# Altium PCB TimeDrive.PcbDoc (part 3 of 4)
Units mil, origin at the board's own origin, x right, y up, seen from the top; angles counter-clockwise.
Board outline 866.1 x 4330 mil, 10 copper layers (L01_SIG, L02_GND, L03_SIG, L04_GND, L05_PWR, L06_PWR, L07_GND, L08_SIG, L09_GND, L10_SIG), stack 29.74 mil thick; 308 components, 309 nets, 1055 pads, 605 vias.
Unrouted connection lines stored in the file: 13.
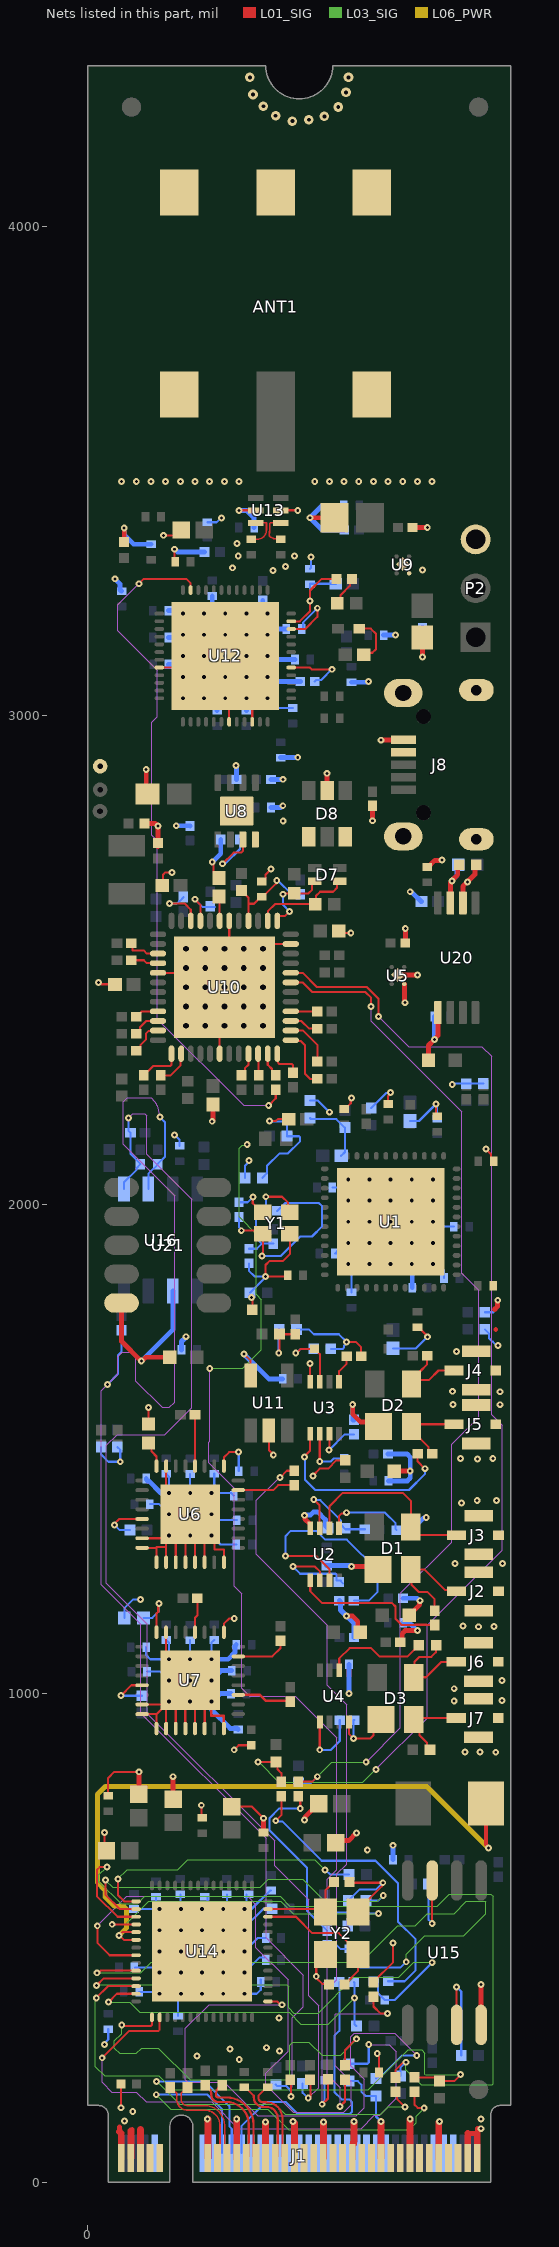
[diagram p11: the nets of this part, all layers, seen from the top]

## Via types
v1: diameter 14, hole 6, L01_SIG to L10_SIG, 458 vias
v2: diameter 19.68, hole 7.87, L01_SIG to L10_SIG, 103 vias
v3: diameter 23.62, hole 11.81, L01_SIG to L10_SIG, 25 vias
v4: diameter 14, hole 5.9, L01_SIG to L10_SIG, 19 vias

## Nets (pads, with @x,y where several pads share a name; then routed paths per layer and width w, separated by ;. In a path a pad name is that pad's centre, name@x,y a point inside that pad or via, vN(x,y) a via of type N, cw(c..) or ccw(c..) an arc to the next point about the centre after c; other vN are vias at no path point) (continued)
DW1000_VDDSYN: C61.2 U12.10 | length 137.1
  L01_SIG w4.25: U12.10@416.58,3177.47 445.18,3177.47 470,3202.28 v1(470,3220)
  L10_SIG w4.25: C61.2@438.23,3177.47 441.19,3180.42 441.19,3191.19 v1(470,3220)
DW1000_VDDVCO: C73.2 C74.1 C75.2 U12.11 | length 241.1
  L01_SIG w4.25: U12.11@416.58,3193.21 434.36,3193.21 455,3213.86 v1(455,3235) 455,3256.18 478.82,3280 C74.1@509.25,3280
  L10_SIG w4.25: v1(455,3235) C73.2@455,3269.25 455,3270 C75.2@507.68,3270
DW1000_VREF: R90.1 U12.5 | length 130.3
  L01_SIG w4: U12.5@416.58,3098.73 454.42,3098.73 458.15,3095 v1(500,3095)
  L10_SIG w4.25: R90.1@464.76,3070 468.26,3073.49 478.49,3073.49 v1@499.79,3094.79
DW1000_WAKEUP: R73.1 U12.23 | length 1418.1
  L01_SIG w4.25: v1(105,3270) 115,3280 202.28,3280 210.87,3271.41 U12.23@210.87,3257.19 ; v1(370.54,2202.88) 385,2217.34 R73.1@385,2234.92
  L08_SIG w2.2: v1(105,3270) 62.07,3227.07 62.07,3173.63 143,3092.71 143,2998.25 131.58,2986.83 131.58,2755.83 143,2744.4 143,2379 319.12,2202.88 v1(370.54,2202.88)
GND: C1.1 C2.1 C3.1 C4.2 C5.1 C6.1 C7.2 C8.1 C9.2 C10.2 C11.2 C12.1 C13.1 C14.1 C17.2 C18.2 C19.2 C20.2 C21.2 C22.2 C23.2 C24.2 C27.1 C28.1 C29.1 C30.1 C31.1 C32.1 C33.1 C34.1 C35.1 C36.2 C37.2 C38.1 C39.1 C40.1 C41.1 C42.1 C43.1 C44.1 C45.1 C46.1 C47.1 C48.2 C49.2 C50.2 C51.2 C52.2 C53.2 C54.1 C55.2 C56.1 C57.2 C58.2 C59.1 C60.1 C61.1 C62.2 C63.1 C64.2 C65.2 C67.1 C69.2 C70.2 C71.2 C72.2 C73.1 C76.2 C77.2 C78.2 C79.2 C80.2 C81.2 C86.1 C87.1 C88.1 C89.2 C90.1 C91.1 C92.1 C93.1 C94.1 C95.1 C96.1 C97.1 C98.1 C99.1 C100.1 C101.1 C102.1 C103.1 C104.1 C105.1 C106.1 C107.1 C108.2 C109.2 C110.2 C111.2 C112.2 C113.2 C114.2 C115.2 C116.2 C117.2 C118.2 C119.2 C120.2 C121.2 C122.2 C123.2 C124.2 C125.2 C126.2 C127.2 C129.2 C130.2 C131.2 C132.2 C133.2 C134.2 C135.2 C136.2 D1.1 D2.1 D3.1 D8.2 J1.1 J1.3 J1.9 J1.15 J1.21 J1.27 J1.33 J1.39 J1.45 J1.51 J1.57 J1.71 J1.73 J1.75 J2.2 J2.3 J3.2 J3.3 J4.2 J4.3 J5.2 J5.3 J6.2 J6.3 J7.2 J7.3 J8.5 J8.Shell P2.3 pad.4 R1.1 R9.1 R10.1 R13.1 R16.2 R17.1 R18.1 R22.2 R23.2 R24.1 R26.1 R29.1 R31.1 R32.1 R33.2 R35.1 R36.2 R39.1 R40.2 R49.2 R57.2 R58.2 R60.1 R90.2 R109.2 R120.1 R121.1 R132.1 R133.1 R134.1 R135.2 R137.1 R140.1 R141.1 U1.49 U2.4 U3.4 U4.4 U5.2 U5.5 U6.7 U6.8 U6.9 U6.10 U6.11 U6.12 U6.13 U6.14 U6.16 U6.25 U6.31 U6.33 U7.7 U7.8 U7.9 U7.10 U7.11 U7.12 U7.13 U7.14 U7.16 U7.25 U7.31 U7.33 U8.4 U8.9 U9.2 U9.5 U10.5 U10.18 U10.35 U10.42 U10.49 U11.2 U11.5 U12.32 U12.43 U12.46 U12.49 U13.2 U13.5 U14.57 U15.4 U16.6 U20.2 U20.5 U21.5 Y1.2 Y1.4 Y2.2 Y2.4 | length 12348.5
  L01_SIG w4.25: v1(22.5,2454.65) 25.14,2454.65 28.95,2450.84 55.32,2450.84 C48.2@56.16,2450 ; v1(35,715.78) 35,682.25 C109.2@38.74,678.51 ; C92.1@35,790.75 38.96,790.75 C92.1@42.21,794 ; C92.1@42.21,791.04 C92.1@42.21,794 ; v1(68.57,152.79) 68.57,194.4 R121.1@69.17,195 ; v1(105,840) 55,840 42.21,827.21 C92.1@42.21,794 ; U7.8@111.5,958.03 141.02,958.03 ; U7.7@111.5,977.72 U7.33@160.71,977.72 ; U6.8@111.57,1298.03 141.1,1298.03 ; U6.7@111.57,1317.72 U6.33@160.79,1317.72 ; R49.2@125,1551.7 v1(125,1585) ; U7.9@141.02,928.5 141.02,958.03 ; U6.9@141.1,1268.5 141.1,1298.03 ; U10.5@144.17,2474.21 201.26,2474.21 v3(201.26,2484.06) ; U12.32@146.9,3098.73 281.74,3098.73 v2(281.74,3122.35) 289.61,3122.35 U12.43@289.61,2987.5 ; C49.2@152.75,2652.78 154.36,2654.39 154.36,2675.19 158.94,2679.77 v1(172.98,2679.77) ; v1(155.16,3369.12) 180.48,3369.12 C58.2@191.36,3380 ; U7.10@160.71,928.5 U7.33@160.71,977.72 ; U7.31@160.71,1125.35 160.71,1070.24 v2(166.61,1070.24) ; U6.10@160.79,1268.5 160.79,1300 ; U6.31@160.79,1465.35 160.79,1410.24 v2(166.69,1410.24) ; v1(177.74,3340.59) 177.74,3316.51 C62.2@179.25,3315 ; U6.11@180.47,1268.5 180.47,1366.93 200.16,1366.93 U6.12@200.16,1268.5 ; v2(209.92,1026.93) 180.39,997.4 v2(166.61,983.62) U7.33@160.71,977.72 ; v2(210,1366.93) U6.33@219.84,1366.93 ; U6.13@219.84,1268.5 U6.33@219.84,1366.93 ; v1(232.68,771.55) 232.68,748.07 C107.1@235,745.75 ; U6.14@239.53,1268.5 239.53,1366.93 U6.33@219.84,1366.93 ; v2(253.31,1323.62) 260,1323.62 260,1295 278.9,1295 U6.16@278.9,1268.5 ; v1@255,2700.59 v1(255.16,2700.59) 255.16,2697.95 257.84,2695.27 257.84,2679.03 C52.2@268.95,2667.92 ; U10.18@270.16,2308.86 270.16,2444.68 v3(280,2444.68) v3(280,2484.06) v3(280,2523.43) 280,2533.27 U10.49@289.84,2533.27 ; U7.25@278.82,1125.35 278.82,1142.82 289.6,1153.6 v1(300.14,1153.6) ; U6.25@278.9,1465.35 278.9,1482.9 289.8,1493.8 v1(308.71,1493.8) ; U10.42@289.84,2580.51 U10.49@289.84,2533.27 ; C113.2@295,768.64 336.36,768.64 v1(360,745) ; v1(300,885) 309.25,894.25 R1.1@335,894.25 ; v1(319.86,1694.52) 333.73,1680.65 U11.5@333.73,1650.56 ; v2(325.05,3122.35) 336.86,3122.35 U12.46@336.86,2987.5 ; v1(335.48,1810.23) 337.28,1808.42 R31.1@337.28,1785 ; v1(338.73,2015.45) 337.99,2014.71 337.99,2002.79 356.69,1984.1 Y1.2@358.66,1984.1 ; C47.1@356.49,2661.03 358.45,2661.03 364.2,2666.77 364.2,2675.37 v1(375.29,2686.46) ; U11.2@371.13,1538.36 371.13,1497.91 379.94,1489.1 v1(379.94,1487.8) ; C3.1@407.06,1857.51 407.06,1856.86 403.5,1853.3 v1(364.03,1853.3) 364.03,1876.54 372.49,1885 400,1885 413.77,1898.77 Y1.4@413.77,1940.79 ; U10.35@415.83,2533.27 U10.49@289.84,2533.27 ; v1(455,1675) 455,1638.15 U3.4@455.47,1638.15 ; v1(461.12,1445) 461.12,1446.12 475,1460 492,1460 509.05,1477.05 R23.2@527.03,1477.05 ; Y2.4@486.54,444.21 470.76,444.21 467.81,441.26 v1(467.81,421.73) 467.81,418.72 469.31,417.22 469.31,417 480.13,406.19 493.07,406.19 C87.1@494.25,405 ; C50.2@513.84,2560 518,2555.84 v1(538.5,2555.84) ; C4.2@525,2195.75 526.97,2195.75 538.39,2207.17 538.39,2216.22 v1(540.25,2218.09) ; v1(529.79,1719.24) 548.61,1719.24 559.76,1708.09 R24.1@559.76,1690 ; U4.4@534.53,941.85 534.53,917.47 v1(543.91,908.09) 578.09,908.09 585.25,915.25 585.25,931.47 D3.1@600.47,946.69 ; C86.1@535.75,615 537.72,613.02 v1(603.96,613.02) 602.1,611.16 602.1,605.88 553.46,557.24 Y2.2@553.46,553.31 ; R109.2@585,409.76 585,410.75 625,450.75 v1(625,490) ; v1(592.58,263.79) 592.58,261.15 596.27,257.46 596.27,225.21 C97.1@596.06,225 ; C11.2@615,2205.75 615,2221.85 620,2226.85 v1(620,2229.49) ; C8.1@675,1749.25 676.97,1749.25 695.42,1730.8 v1(695.42,1729.73) ; v1(712.88,2205.98) 712.88,2182.87 C9.2@715,2180.75 ; v1(815,2113.62) 825,2103.62 825,2094.76 C7.2@830.75,2089.02 ; 141.02,958.03 U7.33@160.71,977.72 ; 141.1,1298.03 141.1,1300 160.79,1300 ; 160.79,1300 U6.33@160.79,1317.72 ; U6.33@160.79,1317.72 166.69,1317.72 v2(166.69,1323.62) 160.79,1323.62 U6.33@160.79,1317.72
  L01_SIG w5: U7.11@180.39,928.5 U7.33@180.39,997.4 ; U7.12@200.08,928.5 200.08,983.62 v2(209.92,983.62) 219.76,983.62 U7.13@219.76,928.5 ; v2(209.92,1026.93) 239.45,1026.93 U7.14@239.45,928.5 ; v2(253.23,983.62) 253.23,955 278.82,955 U7.16@278.82,928.5 ; v1(310,3420) U13.2@344.41,3420 ; U13.5@395.59,3420 v1(430,3420)
  L01_SIG w10: 65,103.8 65,113.7 ; U21.5@69.51,1798.89 69.51,1720.49 v1(110,1680) 111.08,1680 119.08,1688 C122.2@168,1688 ; C63.1@75,3355 v1(75,3383.86) ; 88.62,105.76 91.43,108.57 ; C108.2@105,793.64 v1(105,840) ; 106.72,108.57 108.3,108.57 ; C115.2@116.14,2780 138.01,2780 143.34,2774.67 v1(144.43,2774.67) 144.02,2774.27 144.02,2732.48 C114.2@143.62,2732.07 ; v1(120,2890) 120,2842.43 C130.2@122.43,2840 ; C110.2@175,783.64 v1(175,830) ; J1.57@245.55,50.75 J1.57@246.1,50.2 ; v1@245.55,129.45 v1(245,130) v1@246.1,130 ; v1(255,2170.54) 255,2171.62 256.76,2173.38 C51.2@256.76,2204.87 ; J1.51@305.08,50.27 J1.51@305.15,50.2 ; C100.1@360,715.75 v1(360,745) ; J1.45@364.21,50.2 J1.45@364.6,50.59 ; J1.39@423.26,50.2 J1.39@423.43,50.36 ; v1(443.75,1364.6) 444.51,1363.84 444.51,1356.98 455.47,1346.02 U2.4@455.47,1338.15 ; v1(443.92,741.23) 444.69,741.99 444.69,746.95 C112.2@472.71,775 ; v1(455,3405) C64.2@505,3405 ; v1(489.76,2882.29) 490,2882.29 D8.2@490,2847.24 ; C111.2@507.29,695 511.54,699.25 534.25,699.25 v1(550,715) ; v1(530,1158.46) 542.25,1158.46 552.79,1147.92 552.79,1129.76 C125.2@557.56,1125 ; v1(540,1260) 594.29,1260 D1.1@594.29,1253.9 ; v1(542.4,1591.38) 542.4,1571.6 558.77,1555.23 586.94,1555.23 D2.1@595.47,1546.69 ; v1(582.8,2785.29) C53.2@582.8,2815.86 ; v1(600,125) v1@600.21,124.79 ; v1(600,2950) 600.59,2950.59 645.24,2950.59 J8.5@645.83,2951.18 ; J1.21@600.21,50.41 J1.21@600.43,50.2 ; C36.2@627.56,1455 v1(660,1455) ; U5.5@635,2470 v1@674.35,2470 ; J8.Shell@639.06,2746.57 cw(c645.83,2746.57) J8.Shell@645.83,2753.35 ; R141.1@639.76,1105 643.82,1109.06 643.82,1122.82 649.7,1128.7 v1(674.72,1128.7) ; U5.2@647.8,2451.5 648.59,2450.7 648.59,2414.2 v1@649.67,2413.12 ; v1@648.59,2413.91 v1(649.35,2413.14) ; C116.2@649.9,2535 650,2535 v1(650,2565) ; C22.2@657.56,1160 679.23,1181.68 679.23,1189.23 v1(680,1190) ; J1.15@659.48,50.2 J1.15@659.74,50.46 ; v1@659.74,129.74 v1(660,130) ; C133.2@664.9,3385 v1(695,3385) ; v1(685,3120) C135.2@685,3159.87 ; C120.2@695,2690.75 696.97,2690.75 710.46,2704.23 724.23,2704.23 v1(725,2705) ; C117.2@697.44,2295 697.44,2325.53 v1(709.52,2337.62) 709.52,2338.7 716.61,2345.79 U20.5@716.61,2392.8 ; v1@718.54,122.45 720,123.92 v1(720,125) ; U20.2@767.8,2617.2 767.8,2650.97 792.2,2675.37 792.2,2691.76 R137.1@795.43,2695 ; 777.59,100 797.28,100 797.28,110 v1(805,110) ; U15.4@805,322.36 v1(805,405) ; 832.43,1785.56 838.31,1791.45 838.31,1803.67 v1(839.08,1804.44)
  L01_SIG w14: 65,103.8 68.93,99.87 J1.75@68.93,50.2 ; J1.73@88.62,50.2 88.62,105.76 ; J1.71@108.3,50.2 108.3,108.57 ; J1.57@246.1,50.2 v1@246.1,130 ; J1.51@305.08,50.27 305.15,50.35 v1@305.15,129.89 ; v1(364.23,123.99) 364.23,50.97 J1.45@364.6,50.59 ; v1(420,124.76) 423.43,121.34 J1.39@423.43,50.36 ; J1.33@482.32,50.2 482.32,123.66 v1(482.35,123.7) ; J1.27@541.37,50.2 541.48,50.31 541.48,76 544.17,78.68 544.17,82.88 545,83.71 v1(545,125) ; J1.21@600.21,50.41 v1@600.21,124.79 ; J1.15@659.74,50.46 v1@659.74,129.74 ; J1.9@718.54,50.2 v1@718.54,122.45 ; J1.3@777.59,50.2 777.59,100 ; J1.1@797.28,50.2 797.28,100
  L10_SIG w4.25: R36.2@27.75,1504.38 27.75,1488.99 42.57,1474.16 v1(66.87,1474.16) 66.87,1498.45 R35.1@61.06,1504.27 ; v1(34.54,281.92) 34.54,284.56 42.34,292.37 C95.1@42.34,313.37 ; R57.2@75.23,1155 75.23,1174.64 92.65,1192.06 v1(108.29,1192.06) ; C96.1@95,559.25 125.12,559.25 ; C106.1@97.08,440 136.86,440 v2(147.54,429.32) ; C99.1@105.75,390 143.55,390 v2(147.54,386.01) ; C39.1@120,1095 120,1078.82 128.58,1070.24 v2(166.61,1070.24) 166.61,1103.86 160.87,1109.61 C40.1@160.71,1109.61 ; C38.1@121.5,1045 148.54,1045 v2(166.61,1026.93) ; 125.14,559.24 v2(147.54,559.24) 140,566.78 C101.1@140,584.25 ; C30.1@127.54,1387.32 146.3,1387.32 v2(166.69,1366.93) ; C27.1@160.79,1449.61 160.94,1449.61 166.69,1443.86 v2(166.69,1410.24) ; v4(178.19,2142.57) 188.37,2132.39 C127.2@188.37,2120.37 ; C93.1@185,340.75 185,380.16 v2(190.85,386.01) ; C94.1@190,589.25 190,560.09 v2(190.85,559.24) ; v2(209.92,1070.24) 210,1070.24 C41.1@210,1109.25 ; v2(210,1410.24) C28.1@210,1449.25 ; v2(234.16,559.24) 245,570.08 C98.1@245,584.25 ; C57.2@245,3395.75 264.02,3395.75 272.62,3404.35 v1(274.34,3404.35) ; v2(253.23,1070.24) 253.23,1103.86 258.98,1109.61 C42.1@259.13,1109.61 ; v2(253.31,1323.62) 271.93,1305 C35.1@304.25,1305 ; v2(253.31,1366.93) 265.62,1354.61 C34.1@305.34,1354.61 ; C29.1@259.21,1449.61 259.21,1420.32 253.31,1414.41 v2(253.31,1410.24) 294.02,1410.24 C33.1@299.25,1405 ; v2(277.46,559.24) 285,566.77 C103.1@285,589.25 ; v1(308.71,1493.8) 309.25,1493.8 C32.1@309.25,1455 ; C19.2@310,2004.9 327.44,2004.9 337.99,2015.45 v1(338.73,2015.45) ; v2(320.77,386.01) 346.01,386.01 354.25,394.25 C90.1@354.25,415 ; v2(320.77,429.32) 351.46,460 C104.1@364.25,460 ; v2(320.77,472.62) 348.15,500 C91.1@364.25,500 ; v2(320.77,515.93) 320.77,520.77 360,560 R120.1@377.28,560 ; R9.1@322.2,2055 322.2,2079.56 330,2087.36 v1(330,2090) ; C102.1@325,589.25 325,563.46 v2(320.77,559.24) 335.39,559.24 373.39,597.24 C105.1@375.36,597.24 ; C20.2@330,1880.1 330,1864.88 341.58,1853.3 v1(364.03,1853.3) 364.03,1851.75 R140.1@332.28,1820 ; v2(368.35,3035.73) 388.34,3015.75 C79.2@420,3015.75 ; R13.1@427.8,1745 452.8,1745 462.8,1735 514.03,1735 v1(529.79,1719.24) 529.79,1716.6 524.92,1711.73 524.92,1707.81 522.11,1705 R58.2@497.72,1705 ; R10.1@455,2212.8 471.33,2212.8 v1(494.96,2189.17) ; C73.1@455,3300.75 457.08,3302.83 v1(457.08,3324.93) ; C1.1@500.75,2035 516.77,2035 v2(533.39,2051.61) ; C2.1@510.75,1905 C2.1@505.75,1900 525,1900 533.39,1908.39 v2(533.39,1921.69) ; v2@533.39,1877.4 540,1877.4 C5.1@540,1820.75 ; R132.1@533.72,576.5 533.72,576.59 542.78,585.65 542.86,585.65 556.62,599.41 590.35,599.41 v1(603.96,613.02) ; R133.1@535,207.2 552.8,207.2 560,200 560,185.7 568.5,177.2 R134.1@590,177.2 590,135 v1(600,125) ; v1(543.91,908.09) 543.91,945.54 R60.1@545.47,945.54 ; R29.1@580,2197.72 610.42,2228.13 618.13,2228.13 v1@620,2230 ; C17.2@625,1706.16 671.85,1706.16 v1(695.42,1729.73) ; C18.2@660,2171.16 678.05,2171.16 v1(712.88,2205.98) ; v2(706.61,1878.39) 716.61,1878.39 729.25,1865.75 C13.1@729.25,1850 ; v2(706.61,1965) 716.61,1955 C14.1@749.25,1955 ; C10.2@715,2175.75 v1@715,2200 ; v1(745.96,2245.87) 747.8,2247.72 R40.2@775,2247.72 809.56,2247.72 R39.1@809.56,2247.79 ; R32.1@812.72,1745 821.42,1736.3 821.42,1726.29 827.77,1719.94 828.79,1719.94 837.01,1711.72 v1(839.49,1711.72) ; R33.2@812.72,1780 830.02,1780 839.87,1789.85 839.87,1803.65 v1(839.08,1804.44)
  L10_SIG w10: v1(55.85,3280.13) 66.02,3269.95 66.02,3257.87 68.9,3255 C80.2@70,3255 ; v1@75,3382.87 75,3370 94.17,3350.83 129.92,3350.83 C65.2@130,3350.75 ; v1(110,1680) 174.56,1744.56 U16.6@174.56,1823.32 ; C31.1@120,1440 120,1438.03 122.87,1435.16 124.84,1435.16 149.76,1410.24 v2(166.69,1410.24) ; C76.2@165,3160 186.85,3160 192.5,3165.65 v2(195.12,3165.65) ; C78.2@165,3215 186.47,3215 192.5,3208.96 v2(195.12,3208.96) ; C70.2@165.75,3105 189.27,3105 193.27,3109 193.27,3120.49 v2(195.12,3122.35) ; v1(177.74,3340.59) 178.82,3340.59 184.41,3335 C56.1@238.86,3335 ; v1(181.44,2775.05) 181.51,2774.98 209.93,2774.98 C131.2@210,2774.9 ; C123.2@192.25,1703 192.25,1720.14 201.34,1729.22 v4(201.34,1729.97) ; v2(238.43,3208.96) 255,3225.53 C71.2@255,3245 ; v2(253.23,1026.93) 273.28,1046.98 C44.1@295.01,1046.98 ; v2(253.23,1070.24) 287.76,1070.24 301.42,1083.9 301.42,1097.17 C43.1@304.25,1100 ; v1@255.08,2700.67 272.52,2718.11 C89.2@272.52,2746.93 ; C69.2@265,3010.75 265,3029.14 269.74,3033.88 279.89,3033.88 v2(281.74,3035.73) ; C45.1@293.5,1000 271.38,1000 255,983.62 v2(253.23,983.62) 253.23,967.34 291.73,928.84 306.04,928.84 C46.1@308.35,926.54 ; v1(303.81,2898.03) 304.9,2896.93 C119.2@304.9,2870 ; v1(310,3420) 325,3420 340.75,3404.25 C55.2@340.75,3385 ; v1(319.86,1694.52) 370.59,1643.79 C54.1@399.03,1643.79 ; C72.2@325.02,3010.77 v2(325.05,3035.73) ; C81.2@358.45,3236.17 358.45,3220.05 368.35,3210.14 v2(368.35,3208.96) ; v2(368.35,3079.04) 370.97,3079.04 380.01,3070 R90.2@435.24,3070 ; v2(368.35,3122.35) 370.97,3122.35 378.32,3115 C59.1@424.25,3115 ; v2(368.35,3165.65) 370.97,3165.65 382.78,3177.47 C61.1@406.74,3177.47 ; C118.2@374.9,2870 v1(400,2870) ; C129.2@375.37,2812.28 394.7,2812.28 398.37,2815.95 v1(399.45,2815.95) ; C77.2@395,2914.25 395.37,2914.63 429.63,2914.63 v1(430,2915) ; v1(443.75,1364.6) 444.51,1365.37 456.2,1365.37 462.47,1371.63 470.75,1371.63 486.53,1355.85 486.53,1343.58 R22.2@491.83,1338.28 ; R16.2@488.98,1262.28 540,1262.28 v1(540,1260) ; R18.1@515.24,1190 517.45,1187.79 517.45,1171.02 544.9,1143.56 C126.2@544.9,1115 ; C134.2@524.25,3430 480,3430 v1(455,3405) 480,3380 C132.2@525.1,3380 ; v1(535,1000) C124.2@535,1060 ; C60.1@540,3068.5 572.42,3068.5 573.92,3070 v1(575,3070) ; v1(542.4,1591.38) 542.4,1559.76 R26.1@545,1559.76 ; C67.1@605.75,3165 v1(630,3165) ; C37.2@614.9,1490 653.7,1490 660,1483.7 660,1470.91 660,1440.86 654.14,1435 C24.2@615.75,1435 ; v1@624.94,682.65 624.94,689.64 v1(625,689.64) C88.1@625,660 ; C23.2@644.9,1195 673.92,1195 678.92,1190 v1(680,1190) ; C21.2@645.75,1145 645.75,1144.75 648.62,1141.87 661.55,1141.87 v1(674.72,1128.7) ; v1(660,2640) 660.77,2639.23 663.05,2639.23 682.28,2620 R135.2@683.13,2620 ; R17.1@661.84,1334.34 662.82,1334.34 687.72,1359.23 692.11,1359.23 v1(692.88,1360) ; v2@663.31,1877.4 cw(c661.03,1875.12) 664.25,1875.12 C6.1@664.25,1830 ; v1(685,3120) C136.2@685,3180.1 C136.2@685.1,3180 ; C121.2@709.25,2385 709.39,2384.86 709.39,2337.75 v1(709.52,2337.62)
  other v1: 75.83,125.5 305.12,129.92 805,130 92.53,145.27 310.32,251.81 223.99,258.88 392.57,268.93 291.16,272.65 365.78,275.63 391.83,336.66 572.22,680.27 772,880.3 803.07,880.3 835,880 750,985 847.55,985.98 750,1010 847.55,1026.8 799.95,1136.71 831.65,1137.25 768.04,1138.3 751.6,1266.37 848.58,1266.22 765,1390 796.99,1394.65 836.49,1394.65 797.5,1480 763.17,1481.06 828.92,1481.06 747.2,1591.22 843.71,1590.85 843.39,1617.33 746.26,1618.23 755,1700 675,2470 777.1,2660.28 400.16,2785 379.03,3296.86 685.16,3298.24 296.75,3302.64 405,3305 308.29,3327.11 423.02,3327.1 305.74,3352.45 69.8,3478.86 99.8,3478.86 129.8,3478.86 159.8,3478.86 189.8,3478.86 219.8,3478.86 249.8,3478.86 279.8,3478.86 309.8,3478.86 464.8,3478.86 494.8,3478.86 524.8,3478.86 554.8,3478.86 584.8,3478.86 614.8,3479.18 644.8,3478.86 674.8,3478.86 704.8,3478.86
  other v2: 234.16,386.01 277.46,386.01 190.85,429.32 234.16,429.32 277.46,429.32 147.54,472.62 190.85,472.62 234.16,472.62 277.46,472.62 147.54,515.93 190.85,515.93 234.16,515.93 277.46,515.93 210,1323.62 533.39,1878.39 576.69,1878.39 620,1878.39 663.31,1878.39 576.69,1921.69 620,1921.69 663.31,1921.69 706.61,1921.69 533.39,1965 576.69,1965 620,1965 663.31,1965 533.39,2008.31 576.69,2008.31 620,2008.31 663.31,2008.31 706.61,2008.31 576.69,2051.61 620,2051.61 663.31,2051.61 706.61,2051.61 195.12,3035.73 238.43,3035.73 195.12,3079.04 238.43,3079.04 281.74,3079.04 325.05,3079.04 238.43,3122.35 238.43,3165.65 281.74,3165.65 325.05,3165.65 281.74,3208.96 325.05,3208.96 419.03,4216.28 452.83,4219.05 484.41,4226.07 384.68,4227.36 512.67,4245.09 359.75,4246.57 338.33,4270.77 528.55,4275.2 332.05,4305.67 533.91,4305.67
  other v3: 201.26,2365.94 240.63,2365.94 280,2365.94 319.37,2365.94 358.74,2365.94 201.26,2405.31 240.63,2405.31 280,2405.31 319.37,2405.31 358.74,2405.31 201.26,2444.68 240.63,2444.68 319.37,2444.68 358.74,2444.68 240.63,2484.06 319.37,2484.06 358.74,2484.06 201.26,2523.43 240.63,2523.43 319.37,2523.43 358.74,2523.43
I225_CLKREQ_N: R3.1 R123.1 U14.3 | length 1733.5
  L01_SIG w4.25: v1(39.53,645.07) 39.46,645 25,645 19.19,639.19 19.19,585.81 61.51,543.49 U14.3@99.32,543.49 ; R3.1@630.32,209.76 630.32,230.32 643.99,243.99 649.47,243.99 v1(651.33,245.85)
  L03_SIG w2.2: v1(39.53,645.07) 23.42,628.96 23.42,615.55 68.98,570 102.5,570 117.5,585 393.7,585 413.7,565 715,565 740,590 825,590 830,585 830,201.85 828.15,200 682.19,200 651.33,230.85 v1(651.33,245.85)
  L10_SIG w4.25: R123.1@640,217.8 640,234.52 v1(651.33,245.85)
I225_DISABLE_N: R127.1 R132.2 U14.2 | length 839.3
  L01_SIG w4.25: v1(36.48,618.52) 36.48,588.52 65.76,559.24 U14.2@99.32,559.24
  L03_SIG w2.2: v1(36.48,618.52) 51.5,603.5 353.5,603.5 370,620 440,620 485,575 592.78,575 v1(604.84,587.06)
  L10_SIG w4.25: R127.1@490,552.2 545.01,552.2 560.17,567.36 560.26,567.36 569.32,576.42 R132.2@569.32,576.5 594.28,576.5 v1(604.84,587.06)
I225_JTAG_CLK: R134.2 U14.29 | length 1172.5
  L01_SIG w4.25: U14.29@369,370.26 387.98,370.26 394.78,363.46 v1(397.42,363.46)
  L08_SIG w2.2: v1(397.42,363.46) 248.46,363.46 200,315 200,210 205,205 280,205 348.42,136.58 549.45,136.58 566.1,153.23 566.1,211.41 538.89,238.62 538.89,298.43 545.46,305 628.43,305 v1(673.43,260)
  L10_SIG w4.25: R134.2@590,212.8 598.27,221.07 604.7,221.07 643.64,260 v1(673.43,260)
I225_JTAG_RSTN: R133.2 U14.16 | length 1119.5
  L01_SIG w4.25: v1(30,255) 62.12,287.12 ; 62.12,287.13 85,310 145,310 147.54,312.54 U14.16@147.54,337.78
  L08_SIG w2.2: v1(30,255) 30,205 50,185 100,185 120,165 253.67,165 308.67,110 559.52,110 586.92,137.4 597.4,137.4 631.76,171.76 631.76,267.3 617,282.06 v1(575.25,282.06)
  L10_SIG w4.25: R133.2@535,242.8 572.76,242.8 575.25,245.29 v1(575.25,282.06)
I225_LAN_PWR_GOOD: R126.1 U14.1 | length 577.1
  L01_SIG w4.25: v1(62.07,620.91) 62.07,587.93 75.02,574.98 U14.1@99.32,574.98
  L03_SIG w2.2: v1(62.07,620.91) 81.16,640 185,640 205,660 464.84,660 v1(486.06,638.77)
  L10_SIG w4.25: v1(486.06,638.77) 487.43,638.77 496.2,630 R126.1@535,630
I225_M2_PCIE_TX_N: C85.2 J1.41 | length 186.4
  L01_SIG w4.5: C85.2@368.69,194.61 366.72,194.61 349.48,177.36 349.48,174 ccw(c359.48,174) 359.48,164 366,164 cw(c366,131.52) 398.48,131.52 398.48,79.13 398.94,78.67 398.94,54.84 J1.41@403.58,50.2
I225_M2_PCIE_TX_P: C84.2 J1.43 | length 186.4
  L01_SIG w4.5: C84.2@320.76,194.61 322.73,194.61 339.98,177.36 339.98,174 ccw(c359.48,174) 359.48,154.5 366,154.5 cw(c366,131.52) 388.98,131.52 388.98,79.13 388.53,78.67 388.53,54.84 J1.43@383.89,50.2
I225_RST_N: R2.1 R124.1 U14.13 | length 700.1
  L01_SIG w4.25: v1(42.95,368.94) 60.02,386.01 U14.13@99.32,386.01
  L03_SIG w2.2: v1(42.95,368.94) 86.06,368.94 107.24,347.76 412.17,347.76 436.51,323.42 491.93,323.42 v1(546.12,377.62)
  L10_SIG w4.25: R2.1@544.76,410 546.12,408.64 v1(546.12,377.62) 546.12,323.88 R124.1@550,320
I225_SCK: R80.1 R89.1 | length 616.4
  L01_SIG w4.25: v1(384.93,739.93) 396.38,751.38 R80.1@396.38,790.24
  L10_SIG w4.25: v1(384.93,739.93) 386.3,738.55 398.3,738.55 478.81,658.04 589.01,658.04 635,612.05 635,533.31 671,497.31 671,434 648.57,411.57 R89.1@614.96,411.57
I225_SDA: R79.1 R95.1 | length 377
  L01_SIG w4.25: R79.1@431.38,790.24 435.07,786.54 v1(435.07,765.07)
  L10_SIG w4.25: v1(435.07,765.07) 392.2,765.07 372.12,745 372.12,720.6 448.84,643.89 448.84,555.92 R95.1@490,514.76
I225_SDP0: R43.2 R108.1 | length 1505.4
  L01_SIG w4.25: v1(393.89,1441.75) 407.86,1455.72 R43.2@422.82,1455.72 ; v1(516.66,155.52) 526.73,165.58 R108.1@526.73,210.07
  L08_SIG w2.2: v1(393.89,1441.75) 391.75,1441.75 345,1395 345,1285 490,1140 490,1017.5 530,977.5 530,651.3 510,631.3 510,415 490,395 490,220 516.66,193.34 v1(516.66,155.52)
I225_SDP1: R88.1 R102.1 R117.1 R128.1 U16.2 | length 3042.3
  L01_SIG w4.25: R117.1@415,210.24 416.16,209.07 v1(416.16,175.65)
  L08_SIG w2.2: v4(147.98,2179.05) 142.32,2202.02 ccw(c131.53,2199.45) 140.34,2206.2 131.65,2217.54 130.36,2218.83 81.27,2218.83 72.55,2210.12 72.55,2123.25 177.9,2017.91 177.9,1596.21 166.87,1585.19 152.67,1585.19 98.9,1638.96 98.9,1686.63 87.52,1698.01 71.22,1698.01 62.07,1688.86 62.07,1653.57 v4(41,1632.51) 28.28,1619.78 28.28,1222.83 109.35,1141.76 109.35,959.62 365.04,703.93 365.04,500.18 441.27,423.95 441.27,359.59 419.02,337.34 419.02,195.55 416.16,192.69 v1(416.16,175.65)
  L10_SIG w4.25: v4(41,1632.51) 62.07,1653.57 62.07,1692.04 69.51,1699.48 R102.1@69.51,1743 ; U16.2@124.56,2031.98 124.56,2063.5 134.78,2073.73 135.77,2073.73 143.48,2081.44 143.48,2083.41 158.45,2098.38 158.45,2168.57 v4(147.98,2179.05) ; R128.1@385,200 387.49,197.51 405.84,197.51 416.16,187.18 v1(416.16,175.65)
I225_SDP2: R30.1 R115.1 | length 2360.7
  L01_SIG w4.25: v1(480,160) 491.82,171.82 R115.1@491.82,211.23
  L03_SIG w2.2: v1(250,1665) 317.36,1665 355.66,1703.3 355.66,1805.75 344.84,1816.57 344.84,1939.95 310,1974.78 310,2115 316.11,2121.11 324.53,2121.11 v1(326.61,2123.18)
  L08_SIG w2.2: v1(250,1665) 250,1515.71 248.01,1513.72 248.01,1471.99 300,1420 300,1220 315.92,1204.08 315.92,1010.92 331.85,995 424.71,995 510,909.71 510,640 490,620 490,415 480,405 v1(480,160)
  L10_SIG w4.25: v1(480,160) 480,162.64 485,167.64 R30.1@485,209.25
I225_SDP3: R42.1 R96.1 R101.1 R116.1 U16.1 | length 2648.7
  L01_SIG w4.25: R116.1@455,210.24 456.47,208.77 v1@456.47,173.04
  L08_SIG w2.2: v4(83.65,2177.14) 92.71,2186.2 116.72,2186.2 121.14,2181.78 121.14,2103.15 212.75,2011.54 212.75,1584.73 157.56,1529.53 60.55,1529.53 38.71,1507.69 38.71,1225.63 122.58,1141.76 122.58,958.89 382.96,698.51 382.96,647.74 452.46,578.24 452.46,381.89 472.65,361.7 472.65,194.23 v1(451.47,173.04)
  L10_SIG w4.25: U16.1@74.56,2031.98 74.56,2045.76 100.38,2071.58 100.38,2075.1 R96.1@108.1,2082.81 108.1,2083.8 87.97,2103.93 R101.1@87.97,2147 83.65,2151.32 v4(83.65,2177.14) ; R42.1@440,202.2 440,183.5 450.45,173.04 v1(451.47,173.04)
I225_ULP_WAKE_N: R122.1 U14.4 | length 706.1
  L01_SIG w4.25: v1(50.4,528.09) 50.74,527.74 U14.4@99.32,527.74
  L03_SIG w2.2: v1(50.4,528.09) 78.09,528.09 125,575 395,575 420.83,549.17 594.17,549.17 v1(595,550)
  L10_SIG w4.25: R122.1@532.2,525 532.26,525.06 532.26,540.15 537.06,544.95 564.95,544.95 570,550 v1(595,550)
I225_WAKE_N: R4.1 R125.1 U14.12 | length 1181.8
  L01_SIG w4.25: v1(17.9,377.06) 17.9,377.46 42.19,401.76 U14.12@99.32,401.76 ; R4.1@668.82,215 712.8,215 720.46,207.34 749.84,207.34 v1(763.04,220.54)
  L03_SIG w2.2: v1(17.9,377.06) 16.21,375.37 16.21,237.18 35.06,218.33 146.16,218.33 174.49,190 574.32,190 655.89,271.58 683.15,271.58 690,264.73 690,221.83 691.29,220.54 v1(763.04,220.54)
M2_I225_PCIE_CLK_N: J1.53 R100.1 | length 218.3
  L01_SIG w3.25: 200.04,157.92 cw(c200.59,161.13) 199.31,158.14 cw(c204.63,170) 191.63,170 191.63,181.79 cw(c194.88,181.79) 192.59,184.09 cw(c194.88,181.79) 194.88,185.04 ccw(c194.92,188.37) 197.26,186.02 203.86,192.61 ccw(c202.28,194.19) R100.1@204.51,194.19 ; 200.04,157.93 cw(c196.57,137.34) 203.12,157.16 ccw(c204.08,160.27) 203.88,157.02 ccw(c204.63,170) 204.63,157 240,157 cw(c240,116.75) 280.25,116.75 280.25,55.41 J1.53@285.47,50.2
M2_I225_PCIE_CLK_P: J1.55 R99.1 | length 218.3
  L01_SIG w3.25: R99.1@169.51,194.19 ccw(c171.74,194.19) 170.16,192.61 176.76,186.02 ccw(c179.1,188.37) R99.1@179.1,185.04 ; R99.1@179.13,185.04 cw(c179.13,181.79) 181.43,184.09 cw(c179.13,181.79) 182.38,181.79 182.38,170 ccw(c204.63,170) 195.6,149.67 ccw(c199.3,158.14) 195.85,149.56 ccw(c200.59,161.13) 198.46,148.81 cw(c196.57,137.34) 200.26,148.36 ccw(c204.08,160.27) 203.33,147.79 ccw(c204.63,170) 204.63,147.75 240,147.75 cw(c240,116.75) 271,116.75 271,55.41 J1.55@265.78,50.2
M2_I225_PCIE_RX_N: J1.47 R98.1 | length 208.8
  L01_SIG w4.5: R98.1@275.43,201.84 269.89,196.3 ccw(c287.3,178.89) 262.68,178.89 ccw(c267.57,178.89) 267.57,174 284,174 cw(c284,118.57) 339.43,118.57 339.43,81.76 339.88,81.31 339.88,54.84 J1.47@344.52,50.2
M2_I225_PCIE_RX_P: J1.49 R97.1 | length 208.8
  L01_SIG w4.5: R97.1@240.43,201.84 245.97,196.3 cw(c228.56,178.89) 253.18,178.89 ccw(c267.57,178.89) 267.57,164.5 284,164.5 cw(c284,118.57) 329.93,118.57 329.93,81.76 329.48,81.31 329.48,54.84 J1.49@324.84,50.2
MCU_VDDCORE: C52.1 U10.43 | length 50.2
  L01_SIG w4.25: C52.1@268.95,2630.23 270.16,2629.03 U10.43@270.16,2580.51
MCU_VSNS: R136.1 R137.2 U20.3 | length 123.5
  L01_SIG w10: U20.3@742.2,2617.2 742.2,2657.81 745.3,2660.9 v1(745.3,2661.98) 745.3,2663.07 757.26,2675.03 757.26,2692.26 R137.2@760,2695
  L10_SIG w10: v1(745.3,2661.98) 745.3,2663.07 755.3,2673.06 755.3,2692.26 R136.1@758.03,2695
NetANT1_2: ANT1.2
NetANT1_3: ANT1.3
NetANT1_4: ANT1.4
NetANT1_5: ANT1.5
NetANT1_6: ANT1.6
NetC19_1: C19.1 R15.1 Y1.3 | length 416.1
  L01_SIG w4.25: v1(314.48,1946.79) 352.65,1946.79 Y1.3@358.66,1940.79 358.66,1895 v1(356.57,1895)
  L10_SIG w4.25: C19.1@310,1975.1 310.23,1974.87 310.23,1953.69 314.48,1949.43 v1(314.48,1946.79) ; v1(356.57,1895) 395,1895 435,1935 459.19,1935 480,1955.81 480,1996.7 473.17,2003.53 404.86,2003.53 388.66,1987.33 R15.1@387.67,1987.33
NetC20_1: C20.1 R14.2 Y1.1 | length 235
  L01_SIG w4.25: v1(364.64,2016.14) 397.86,2016.14 410.27,2003.73 410.27,1987.6 Y1.1@413.77,1984.1
  L10_SIG w4.25: C20.1@330,1909.9 346.24,1909.9 356.57,1920.24 ; v1(364.64,2016.14) 364.64,1994.64 345,1975 345,1931.81 356.57,1920.24 ; R14.2@380,1920.24 356.57,1920.24
NetC47_2: C47.2 R44.1 R62.2 U10.40 | length 208.1
  L01_SIG w4.25: R62.2@315,2642.2 315.08,2642.2 329.21,2628.07 329.21,2615.49 ; U10.40@329.21,2580.51 329.21,2615.49 ; v4(386.99,2663.01) 385.12,2661.14 385.12,2656.2 358.45,2629.53 C47.2@356.49,2629.53 354.52,2629.53 340.47,2615.49 329.21,2615.49
  L10_SIG w4.25: v4(386.99,2663.01) 389.14,2663.01 417.59,2634.55 R44.1@435.3,2634.55
NetC66_1: C66.1 R91.2 | length 100
  L01_SIG w4.25: C66.1@555.62,3178.3 579.57,3178.3 590,3167.87 590,3136.26 582.67,3128.92 568.92,3128.92 R91.2@565,3125
NetC74_2: C74.2 R92.2 | length 62.6
  L01_SIG w4.25: R92.2@510.31,3230 517.35,3237.04 517.35,3246.68 536.55,3265.88 536.55,3275.8 C74.2@540.75,3280
NetC82_2: C82.2 U13.3 | length 78.8
  L01_SIG w3.25: C82.2@335,3360.75 346.51,3360.75 ccw(c346.51,3380.38) 366.13,3380.38 366.13,3393.87 ccw(c365,3393.87) 365,3395 344.41,3395 U13.3@344.41,3394.41
NetC83_2: C83.2 U13.4 | length 74.3
  L01_SIG w3.25: 371.47,3370 ccw(c374.67,3369.46) 372.47,3367.07 ccw(c386.64,3382.69) C83.2@386.1,3361.61 ; 371.47,3370.03 ccw(c313.22,3380.38) 372.38,3380.38 372.38,3392.51 374.29,3394.41 U13.4@395.59,3394.41 ; C83.2@386.14,3361.61 386.69,3361.61 389.75,3362.67 391.05,3362.67 391.72,3362.34 C83.2@395,3360.75
NetC86_2: C86.2 U14.41 Y2.3 | length 189
  L01_SIG w4.25: U14.41@369,559.24 480.61,559.24 Y2.3@486.54,553.31 486.54,597.28 C86.2@504.25,615
NetC87_2: C87.2 U14.40 Y2.1 | length 291.8
  L01_SIG w4.25: U14.40@369,543.49 426.51,543.49 460,510 514.09,510 553.46,470.63 Y2.1@553.46,466.69 553.46,432.72 C87.2@525.75,405
NetC89_1: C89.1 U8.3 | length 143.9
  L01_SIG w4.25: v1(275.99,2697.36) 298.75,2720.13 314.62,2720.13 317.8,2723.31 U8.3@317.8,2746.93
  L10_SIG w4.25: v1(275.99,2697.36) 277.85,2699.23 283.45,2699.23 311.82,2727.6 311.82,2746.86 C89.1@311.89,2746.93
NetD1_2: D1.2 J2.1 R21.2 | length 227.1
  L01_SIG w4.25: R21.2@710,1169.76 710,1193 695,1208 677,1208 662.54,1222.46 662.54,1252.58 D1.2@661.22,1253.9 689.1,1253.9 731.31,1211.69 752.37,1211.69 J2.1@754.88,1209.17
NetD1_3: D1.3 J3.1 U2.2 | length 392.9
  L01_SIG w4.25: U2.2@494.84,1338.15 494.84,1383.07 522.17,1410.39 644.89,1410.39 661.22,1394.07 D1.3@661.22,1340.52 661.22,1324.17 J3.1@754.88,1324.17
NetD2_2: D2.2 J5.1 R55.2 | length 165.2
  L01_SIG w4.25: R55.2@704.76,1490.83 697.24,1498.35 697.24,1504.49 680.47,1521.26 679.96,1521.26 662.4,1538.82 662.4,1550.83 J5.1@749.72,1550.83
NetD2_3: D2.3 J4.1 R143.1 | length 169.6
  L01_SIG w4.25: R143.1@694.76,1690.83 694.76,1673.54 679.96,1658.74 662.4,1641.18 D2.3@662.4,1633.31 670.89,1641.8 698.8,1641.8 717.83,1660.83 J4.1@749.72,1660.83
NetD3_2: D3.2 J7.1 R142.2 | length 165.7
  L01_SIG w4.25: R142.2@700.43,885 694.29,891.15 694.29,899.71 678.75,915.25 678.75,935.34 D3.2@667.4,946.69 667.4,950 J7.1@754.37,950
NetD3_3: D3.3 J6.1 R61.1 | length 199
  L01_SIG w4.25: R61.1@713.31,1099.17 712.46,1098.33 712.46,1084.46 703,1075 679,1075 668.75,1064.75 668.75,1034.66 D3.3@667.4,1033.31 692.31,1033.31 724,1065 J6.1@754.37,1065
NetD7_1: D7.1 R72.1 U10.38 | length 198.1
  L01_SIG w4.25: U10.38@368.58,2580.51 368.74,2580.67 368.74,2600.04 383.39,2614.68 R72.1@465.32,2614.68 467,2616.37 467,2631.37 475.63,2640 502.2,2640 510,2647.8 510,2655.63 D7.1@510.59,2656.22
NetD7_3: D7.3 R70.1 U10.37 | length 152.7
  L01_SIG w4.25: U10.37@388.27,2580.51 388.27,2586.82 391.76,2590.31 403.19,2590.31 v1(412.88,2600) ; v1(400,2635) 400,2636.54 R70.1@422.5,2636.54 451.54,2636.54 459.41,2644.41 D7.3@459.41,2656.22
  L10_SIG w4.25: v1(400,2635) 400,2612.88 v1(412.88,2600)
NetD8_4: D8.4
NetD8_6: D8.6
NetJ1_5: J1.5
NetJ1_6: J1.6
NetJ1_7: J1.7
NetJ1_8: J1.8
NetJ1_10: J1.10
NetJ1_11: J1.11
NetJ1_13: J1.13
NetJ1_17: J1.17
NetJ1_19: J1.19
NetJ1_20: J1.20
NetJ1_22: J1.22
NetJ1_23: J1.23
NetJ1_24: J1.24
NetJ1_25: J1.25
NetJ1_26: J1.26
NetJ1_28: J1.28
NetJ1_29: J1.29
NetJ1_30: J1.30
NetJ1_31: J1.31
NetJ1_32: J1.32
NetJ1_34: J1.34
NetJ1_35: J1.35
NetJ1_36: J1.36
NetJ1_37: J1.37
NetJ1_38: J1.38
NetJ1_40: J1.40
NetJ1_42: J1.42
NetJ1_44: J1.44
NetJ1_46: J1.46
NetJ1_48: J1.48
NetJ1_50: J1.50 R2.2 | length 607.1
  L10_SIG w4.25: J1.50@314.74,60.04 314.74,114.74 365,165 405,165 430,140 535.99,140 540.97,144.98 540.97,164.03 535,170 520,170 505,185 505,300 515.24,310.24 R2.2@515.24,410
NetJ1_52: J1.52 R3.2 | length 842.5
  L01_SIG w4.25: R3.2@630.32,180.24 633.22,177.33 633.22,170.52 v1(649.07,154.68)
  L03_SIG w2.2: v1(141.36,206.75) 188.12,160 383.92,160 403.92,140 600,140 614.68,154.68 v1(649.07,154.68)
  L10_SIG w4.25: v1(141.36,206.75) 239.25,206.75 290,156 290,114.61 295.06,109.55 J1.52@295.06,60.04
NetJ1_54: J1.54 R4.2 | length 889.8
  L01_SIG w4.25: R4.2@668.82,185.47 668.82,159.13 675.26,152.69 687.97,152.69 v1(688.64,152.03)
  L03_SIG w2.2: v1(140.54,179.52) 170.07,150 369,150 411.12,107.88 657.88,107.88 672.32,122.32 672.32,135.71 v1(688.64,152.03)
  L10_SIG w4.25: v1(140.54,179.52) 245.48,179.52 275.37,149.63 J1.54@275.37,60.04
NetJ1_56: J1.56
NetJ1_58: J1.58
NetJ1_67: J1.67
NetJ1_68: J1.68
NetJ1_69: J1.69
NetJ2_4: J2.4
NetJ3_4: J3.4
NetJ4_4: J4.4
NetJ5_4: J5.4
NetJ6_4: J6.4
NetJ7_4: J7.4
NetJ8_4: J8.4
NetL1_1: L1.1 U14.5 U14.6 | length 1359.7
  L01_SIG w4.25: U14.6@99.32,496.24 74.44,496.24 65.73,504.95 v1(64.23,504.95) 71.27,511.99 U14.5@99.32,511.99
  L01_SIG w8: L1.1@815,775 815,690.79 820,685.79 v1(820,684.17)
  L06_PWR w10: v1(64.23,504.95) 80,520.72 80,559.14 74.14,565 55,565 35.69,584.31 35.69,598.1 20,613.79 20,793.54 36.46,810 694.17,810 v1(820,684.17)
NetR5_1: R5.1 R7.2 R9.2 | length 250.4
  L01_SIG w4.25: v1(372.01,2171.28) 385.43,2171.28 389.15,2175 R7.2@406.3,2175
  L10_SIG w4.25: R9.2@357.8,2055 366.86,2064.06 366.86,2079.06 392.8,2105 410,2105 435,2130 435,2137.51 432.51,2140 R5.1@407.8,2140 407.8,2162.2 399.83,2170.17 373.12,2170.17 v1(372.01,2171.28)
NetR6_1: R6.1 R8.2 R10.2 | length 140.4
  L10_SIG w4.25: R10.2@455,2177.2 457.2,2175 508.91,2175 R6.1@526.55,2157.44 R6.1@526.55,2157.44 526.55,2107.85 R8.2@518.7,2100
NetR11_1: R11.1 R12.2 R13.2 | length 120.3
  L01_SIG w4.25: v1(391.16,1696.56) 392.8,1698.2 R11.1@392.8,1735 424.76,1735 R12.2@425,1735.24
  L10_SIG w4.25: v1(391.16,1696.56) 391.16,1743.96 R13.2@392.2,1745
NetR17_2: R17.2 U2.1 | length 167.5
  L01_SIG w4.25: U2.1@514.53,1338.15 514.53,1363.55 519.11,1368.13 528.13,1368.13 v1(530,1370)
  L10_SIG w4.25: v1(530,1370) 608.35,1370 630.28,1348.07 630.28,1336.37 R17.2@632.31,1334.34
NetR18_2: R18.2 U2.7 | length 489.7
  L01_SIG w4.25: v1(404.85,1281.48) 467.52,1281.48 494.84,1254.16 U2.7@494.84,1231.85
  L10_SIG w4.25: v1(404.85,1281.48) 404.85,1322 414.98,1332.12 469.09,1332.12 486.21,1315 530.25,1315 593.24,1252.01 593.24,1208.24 575,1190 R18.2@544.76,1190
NetR19_1: R19.1 U2.6 | length 202.2
  L01_SIG w4.25: v1(420,1260) 465,1260 475.16,1249.84 U2.6@475.16,1231.85
  L10_SIG w4.25: v1(420,1260) 435,1245 507.17,1245 509.66,1242.51 509.66,1231.5 518.26,1231.5 518.26,1229.4 R19.1@522.66,1225
NetR20_2: R20.2 R22.1 U2.3 | length 198.7
  L01_SIG w4.25: v1(462.66,1396.92) 474.85,1384.74 474.85,1338.46 U2.3@475.16,1338.15
  L10_SIG w4.25: v1(462.66,1396.92) 463.86,1395.73 476.04,1395.73 518.56,1353.21 518.56,1344.73 527.26,1336.03 R20.2@567.25,1336.03
NetR21_1: R21.1 U2.5 | length 320.8
  L01_SIG w4.25: U2.5@455.47,1231.85 455.47,1209.53 480,1185 623,1185 630,1178 630,1152.75 642.52,1140.24 669.11,1140.24 669.7,1140.83 693.17,1140.83 693.76,1140.24 R21.1@710,1140.24
NetR24_2: R24.2 U3.1 | length 58.4
  L01_SIG w4.25: U3.1@514.53,1638.15 514.53,1659.53 530,1675 530,1689.76 R24.2@530.24,1690
NetR25_1: R25.1 U3.6 | length 109.4
  L01_SIG w4.25: v1(475,1475) 475,1531.85 U3.6@475.16,1531.85
  L10_SIG w4.25: v1(475,1475) 497.95,1475 503.7,1480.75 R25.1@525,1480.75
NetR26_2: R26.2 U3.7 | length 98.4
  L01_SIG w4.25: v1(494.18,1498.18) 494.84,1498.18 U3.7@494.84,1531.85
  L10_SIG w4.25: v1(494.18,1498.18) 526.24,1530.24 R26.2@545,1530.24
NetR27_2: R27.2 R58.1 U3.3 | length 153.1
  L01_SIG w4.25: v1(425.83,1696.69) 428.13,1696.69 436.44,1705 R27.2@464.25,1705 475.16,1694.09 U3.3@475.16,1638.15
  L10_SIG w4.25: v1(425.83,1696.69) 428.13,1696.69 436.44,1705 R58.1@462.28,1705
NetR41_1: R41.1 U6.28 | length 104.7
  L01_SIG w4.25: R41.1@219.76,1570 R41.1@219.76,1570 U6.28@219.84,1465.35
NetR43_1: R43.1 U6.23 | length 118.6
  L01_SIG w4.25: U6.23@308.43,1416.14 380,1416.14 390.05,1426.19 R43.1@422.82,1426.19
NetR45_2: R45.2 U10.45 | length 96.3
  L01_SIG w4.25: v4(219.62,2624.78) 230.79,2613.62 U10.45@230.79,2580.51
  L10_SIG w4.25: v4(219.62,2624.78) 235.68,2608.72 R45.2@260.38,2608.72
NetR46_2: R46.2 U10.46 | length 106.9
  L01_SIG w4.25: v4(167.3,2615.91) 198.81,2615.91 211.1,2603.62 U10.46@211.1,2580.51
  L10_SIG w4.25: v4(167.3,2615.91) 182.73,2615.91 187.38,2620.56 188.37,2620.56 196.09,2628.28 R46.2@196.09,2629.26
NetR47_1: R47.1 U7.28 | length 67.1
  L01_SIG w4.25: U7.28@219.76,1125.35 219.76,1154.76 225,1160 225,1190 R47.1@224.76,1190
NetR48_2: R48.2 U6.5 | length 98.8
  L01_SIG w4.25: v1(55,1345) 55,1347.25 64.83,1357.09 U6.5@111.57,1357.09
  L10_SIG w4.25: v1(55,1345) 55.6,1345 66.26,1334.34 R48.2@86.43,1334.34
NetR49_1: R49.1 U6.32 | length 53.5
  L01_SIG w4.25: R49.1@125,1512.16 130.98,1506.18 130.98,1495.12 141.1,1485 U6.32@141.1,1465.35
NetR51_1: R51.1 U7.23 | length 108.9
  L01_SIG w4.25: U7.23@308.35,1076.14 378.14,1076.14 394.68,1092.68 R51.1@394.68,1108.39
NetR53_1: R53.1 U7.19 | length 113.1
  L01_SIG w5: U7.19@308.35,997.4 352.6,997.4 365,985 414.68,985 R53.1@414.68,983.39
NetR55_1: R55.1 U3.5 | length 415.5
  L01_SIG w4.25: v1(443.68,1484.05) 443.68,1485.32 455,1496.65 455,1531.38 U3.5@455.47,1531.85 ; R55.1@675.24,1490.83 675.24,1474.76 v1(690,1460)
  L10_SIG w4.25: v1(443.68,1484.05) 444.95,1482.77 444.95,1436.94 465.55,1416.34 657.48,1416.34 690,1448.86 v1(690,1460)
NetR56_2: R56.2 U7.5 | length 94.8
  L01_SIG w4.25: v1(68.69,995.99) 89.78,1017.09 U7.5@111.5,1017.09
  L10_SIG w4.25: v1(68.69,995.99) 68.69,995.52 R56.2@111.5,995.52
NetR57_1: R57.1 U7.32 | length 113.8
  L01_SIG w4.25: U7.32@141.02,1125.35 141.02,1163.66 144.63,1167.27 144.63,1183.06 v1(145.98,1184.41)
  L10_SIG w4.25: R57.1@114.77,1155 132.36,1155 144.63,1167.27 144.63,1183.06 v1(145.98,1184.41)
NetR59_2: R59.2 U10.3 | length 70.6
  L01_SIG w4.25: R59.2@89.76,2535 92.25,2532.51 92.25,2520 115,2520 121.42,2513.58 U10.3@144.17,2513.58
NetR60_2: R60.2 U4.1 | length 148.3
  L01_SIG w4.25: v1(475,885) 475,941.85 U4.1@475.47,941.85
  L10_SIG w4.25: v1(475,885) 498,885 515.95,902.95 R60.2@515.95,945.54
NetR61_2: R61.2 U4.6 | length 212.2
  L01_SIG w4.25: U4.6@514.84,1048.15 514.84,1071.89 535.95,1093 580.02,1093 597.02,1076 654.7,1076 R61.2@677.87,1099.17
NetR63_2: R63.2 U10.4 | length 58
  L01_SIG w4.25: R63.2@89.76,2493.9 R63.2@89.76,2495 ; R63.2@89.76,2500 115,2500 121.1,2493.9 U10.4@144.17,2493.9
NetR64_2: R64.2 U10.9 | length 49.2
  L01_SIG w4.25: R64.2@99.76,2384.68 100.75,2384.68 108.47,2392.4 108.47,2392.98 110.96,2395.47 U10.9@144.17,2395.47
NetR65_2: R65.2 U10.10 | length 58.7
  L01_SIG w4.25: R65.2@99.76,2349.68 107.42,2357.34 107.42,2363.21 120,2375.79 U10.10@144.17,2375.79
NetR66_2: R66.2 U10.11 | length 71.2
  L01_SIG w4.25: R66.2@99.76,2314.68 100.75,2314.68 108.47,2322.4 108.47,2326.97 120,2338.5 120,2350.32 125.13,2355.45 143.52,2355.45 U10.11@144.17,2356.1
NetR67_2: R67.2 U10.13 | length 89.1
  L01_SIG w4.25: R67.2@115,2264.45 115,2265.43 122.72,2273.15 123.7,2273.15 134.02,2283.46 169.24,2283.46 171.73,2285.95 U10.13@171.73,2308.86
NetR68_2: R68.2 U10.14 | length 73.3
  L01_SIG w4.25: R68.2@150,2264.45 170,2264.45 190,2284.45 190,2307.44 U10.14@191.42,2308.86
NetR69_2: R69.2 U10.21 | length 50.3
  L01_SIG w4.25: R69.2@315,2264.45 321.93,2271.38 321.93,2278.7 329.21,2285.99 U10.21@329.21,2308.86
NetR71_2: R71.2 U10.22 | length 45.5
  L01_SIG w4.25: U10.22@348.9,2308.86 350,2308.86 R71.2@350,2264.45
NetR73_2: R73.2 U10.23 | length 51.2
  L01_SIG w4.25: U10.23@368.58,2308.86 368.58,2286.25 377.28,2277.55 377.28,2272.17 R73.2@385,2264.45
NetR74_2: R74.2 U10.24 | length 72.5
  L01_SIG w4.25: U10.24@388.27,2308.86 389.47,2307.66 389.47,2290.36 391.96,2287.87 417.51,2287.87 420,2285.38 R74.2@420,2264.45
NetR75_2: R75.2 U10.25 | length 121.6
  L01_SIG w4.25: U10.25@415.83,2336.42 417.27,2334.97 435.7,2334.97 444.88,2325.79 444.88,2267.72 455.52,2257.07 469.44,2257.07 R75.2@470.24,2257.87
NetR76_2: R76.2 U10.26 | length 100.6
  L01_SIG w4.25: U10.26@415.83,2356.1 441.14,2356.1 470.24,2327.01 R76.2@470.24,2292.87
NetR77_2: R77.2 U10.27 | length 60.9
  L01_SIG w4.25: U10.27@415.83,2375.79 437.49,2375.79 453.28,2360 R77.2@470.24,2360
NetR78_2: R78.2 U10.28 | length 54.9
  L01_SIG w4.25: U10.28@415.83,2395.47 470.24,2395.47 R78.2@470.24,2395
NetR79_2: R79.2 R86.1 U10.31 | length 2126
  L01_SIG w4.25: U10.31@415.83,2454.53 440.16,2454.53 459.68,2435 567.95,2435 580,2422.95 v1(580,2405) ; R79.2@431.38,819.76 459.76,819.76 v1(470,830)
  L03_SIG w2.2: v1(470,830) 500,860 v1(570,860)
  L08_SIG w2.2: v1(570,860) 640,930 640,1205 745,1310 745,1510 800,1565 800,1825 765,1860 765,2190 580,2375 v1(580,2405)
  L10_SIG w4.25: R86.1@431.38,816.73 456.73,816.73 v1(470,830)
NetR80_2: R80.2 R83.1 U10.32 | length 2427.8
  L01_SIG w4.25: v1(348.9,860.07) 348.9,860 385,860 388.49,856.51 388.49,844.93 396.38,837.05 R80.2@396.38,819.76 ; U10.32@415.83,2474.21 440.16,2474.21 469.37,2445 571.73,2445 595,2421.73 v1(595,2385)
  L03_SIG w2.2: v1(348.9,860.07) 349.93,860.07 391.58,818.42 563.42,818.42 v1(590,845)
  L08_SIG w2.2: v1(590,845) 695,950 695,1140 848.06,1293.06 848.06,1548.4 826.58,1569.89 826.58,2303.56 806.71,2323.43 656.58,2323.43 v1(595,2385)
NetR89_2: R89.2 R94.1 U14.11 | length 1042.2
  L01_SIG w4.25: v1(18.3,402.97) 32.83,417.5 U14.11@99.32,417.5
  L03_SIG w2.2: v1(18.3,402.97) 19.3,403.97 407.88,403.97 411.58,400.28 411.58,357.06 422.06,346.58 471.58,346.58 545,420 636.86,420 666.86,450 v1(705,450)
  L10_SIG w4.25: R89.2@586.41,411.57 594.13,403.85 594.13,386.91 R94.1@607.73,373.31 628.31,373.31 v1(705,450)
NetR93_1: R93.1 R95.2 U14.10 | length 1368.8
  L01_SIG w4.25: v1(19.49,428.86) 22.13,428.86 26.52,433.25 U14.10@99.32,433.25
  L03_SIG w2.2: v1(19.49,428.86) 108.86,428.86 130,450 560,450 635,525 670,525 695,550 750,550 775,575 813.71,575 815,573.71 815,550 770,505 690,505 651.88,466.88 v1(651.88,451.38)
  L10_SIG w4.25: R95.2@490,485.24 490.24,485 510,485 517.21,477.79 R93.1@534,477.79 535.93,475.86 535.93,461.3 557.23,440 640.49,440 v1(651.88,451.38)
NetR104_1: R104.1 U15.7 | length 170.6
  L01_SIG w4.25: v1(705,530) U15.7@705,617.64
  L10_SIG w4.25: R104.1@697.8,610 697.8,537.36 705,530.17 v1(705,530)
NetR105_1: R105.1 U15.3 | length 221.5
  L01_SIG w4.25: U15.3@755,322.36 v1(755,400)
  L10_SIG w4.25: v1(755,400) 764.4,390.6 R105.1@764.4,260
NetR108_2: R108.2 U14.15 | length 826
  L01_SIG w4.25: v1(70,322.12) 72.64,322.12 74.76,320 129.31,320 131.8,322.49 U14.15@131.8,337.78 ; R108.2@526.73,239.59 526.73,270.57 v1(549.99,293.83)
  L03_SIG w2.2: v1(70,322.12) 70,304.59 55,289.59 55,275 66.08,263.92 100,263.92 111.08,275 145,275 210,210 412,210 413.85,211.85 413.85,280.7 420.15,287 452.77,287 479.78,260 518.38,260 549.99,291.62 v1(549.99,293.83)
NetR109_1: R109.1 U14.8 | length 1460.2
  L01_SIG w4.25: v1(20,525) 20,490 45.25,464.75 U14.8@99.32,464.75 ; R109.1@585,380.24 585,360 599.61,345.39 v1(613.41,345.39)
  L08_SIG w2.2: v1(20,525) 80,585 327.49,585 344.43,568.06 344.43,480.57 410.2,414.8 410.2,268.89 365,223.7 365,200 421.06,143.94 524.43,143.94 539.47,158.98 539.47,205.53 506.3,238.7 506.3,344.1 507.59,345.39 v1(613.41,345.39)